# Altium PCB Femto_v1.PcbDoc
Units mm, origin at the board's own origin, x right, y up, seen from the top; angles counter-clockwise.
Board outline 12 x 12 mm, 4 copper layers (L1 [TOP], L2, L3, L4 [BOT]), stack 1.54 mm thick; 26 components, 50 nets, 158 pads, 38 vias.
Unrouted connection lines stored in the file: 26.
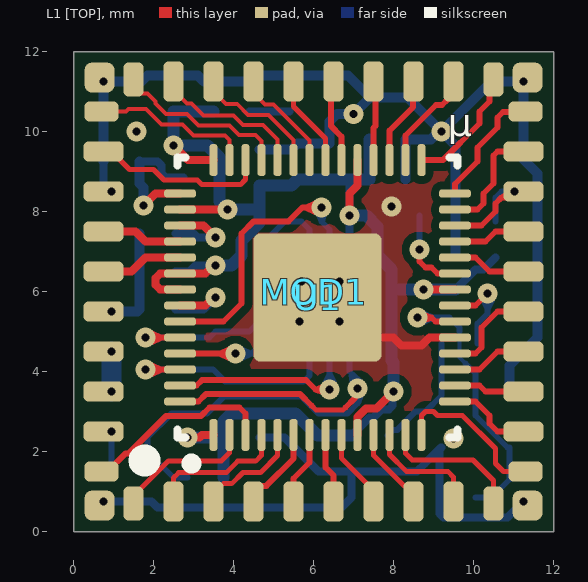
[diagram p0: L1 [TOP] view]
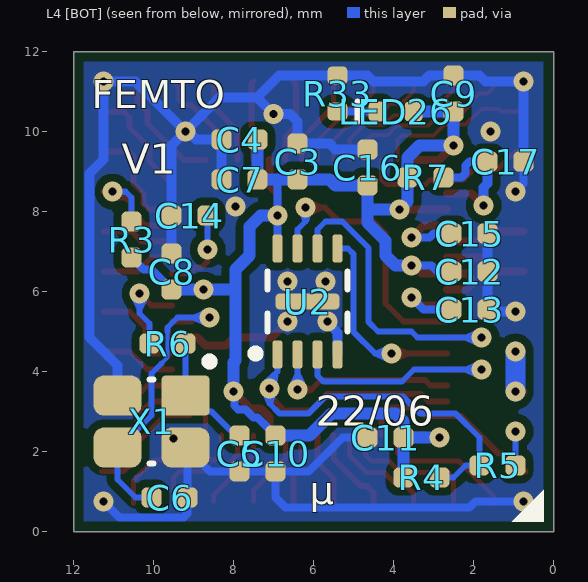
[diagram p1: L4 [BOT] view, seen from below]
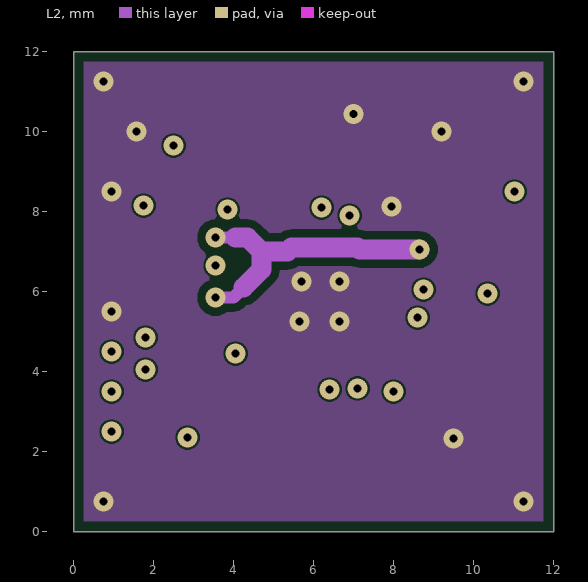
[diagram p2: L2]
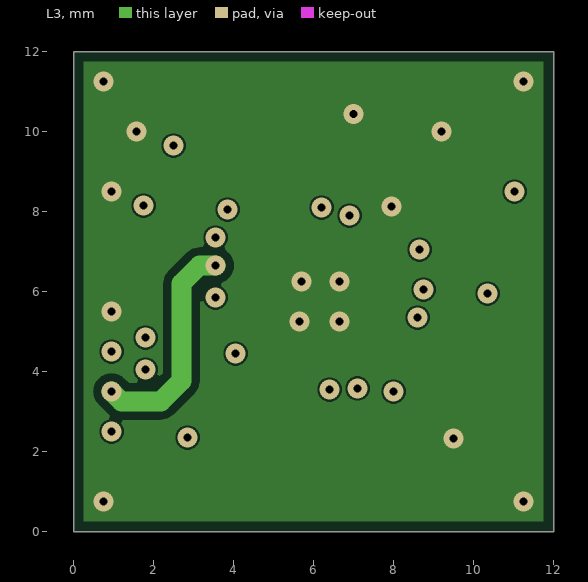
[diagram p3: L3]
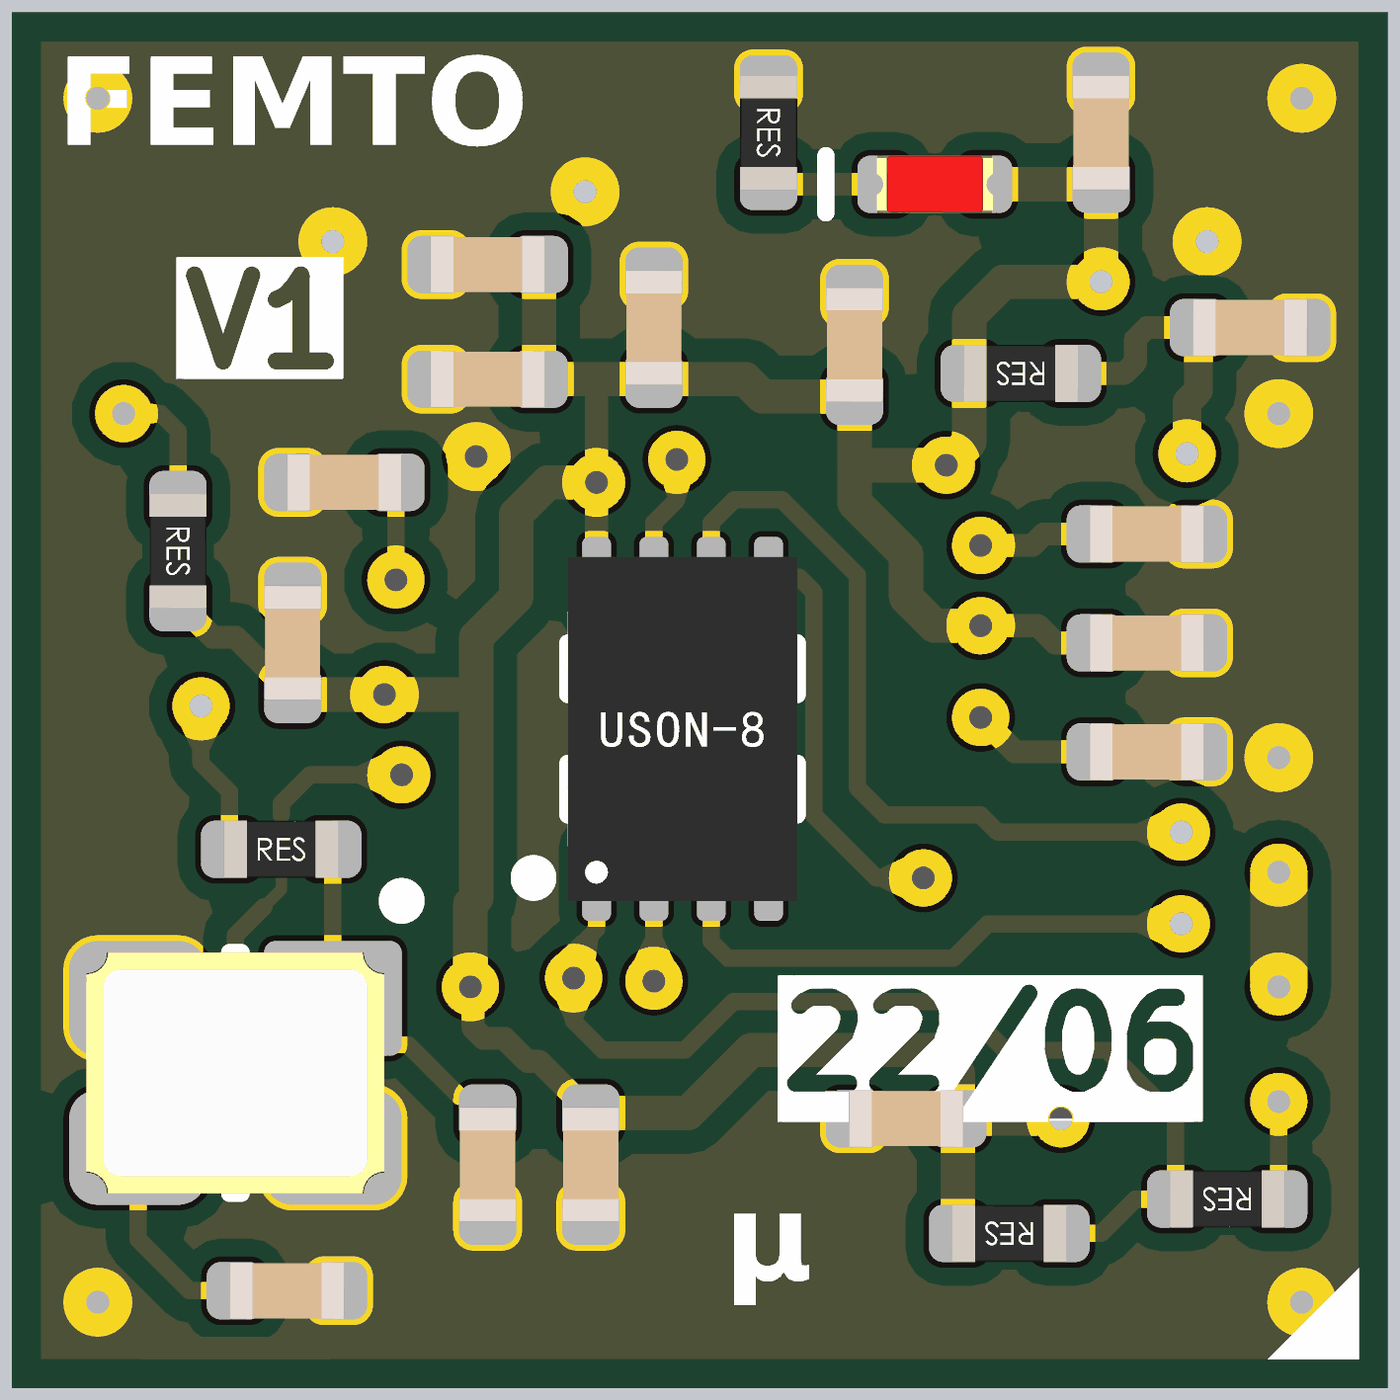
[diagram p4: 3D render of the assembled board from below, using the file's embedded part models]

## Layer stack, top to bottom
Soldermask [TOP]: solder mask 0.01, Solder Resist, Dk 3.5
L1 [TOP]: signal copper 0.035
Dielectric 1: prepreg 0.1, PP-006, Dk 4.1
L2: signal copper 0.035
Core: dielectric 1.2, FR-4, Dk 4.8
L3: signal copper 0.035
Dielectric 2: prepreg 0.1, PP-006, Dk 4.1
L4 [BOT]: signal copper 0.035
Soldermask [BOT]: solder mask 0.01, Solder Resist, Dk 3.5

## Board outline
0,0 12,0 12,12 0,12

## Design rules (kind name [scope] priority, off if disabled: settings)
BoardOutlineClearance BoardOutlineClearance_MB [InPadClass('MouseBits')] p1: gap=0.2 ignorepadtopadclearanceinfootprint=FALSE
BoardOutlineClearance [All] p2: gap=0.25 ignorepadtopadclearanceinfootprint=FALSE
Clearance Clearance_PCB1 [InComponent('PCB1')] p1: gap=0 ignorepadtopadclearanceinfootprint=FALSE
Clearance Clearance_USB1 [InDifferentialPair('USB_CON') vs InDifferentialPair('USB_CON')] p2: gap=0.12 ignorepadtopadclearanceinfootprint=FALSE
Clearance Clearance_USB2 [InDifferentialPair('USB_CON') vs InPoly] p3: gap=0.4 ignorepadtopadclearanceinfootprint=FALSE
Clearance [All] p4: gap=0.2 ignorepadtopadclearanceinfootprint=FALSE except(0.15: Arc-Arc Arc-Track Arc-SMDPad Arc-THPad Arc-Via Arc-Text Arc-Hole Track-Track Track-SMDPad Track-THPad Track-Via Track-Text Track-Hole SMDPad-SMDPad SMDPad-THPad SMDPad-Via SMDPad-Text SMDPad-Hole THPad-THPad THPad-Via THPad-Text THPad-Hole Via-Via Via-Text Via-Hole Text-Text Text-Hole)
DiffPairsRouting [InDifferentialPair('USB_CON')] p1: maxlimit=0.127 minlimit=0.125 mostfreqgap=0.127 toplayer_maxgap=0.125 toplayer_prefgap=0.125 toplayer_minwidth=0.4 toplayer_maxwidth=0.4 toplayer_prefwidth=0.4 midlayer1_mingap=0.127 midlayer1_minwidth=0.076 midlayer1_maxwidth=0.076 midlayer1_prefwidth=0.076 midlayer2_mingap=0.127 midlayer2_minwidth=0.076 midlayer2_maxwidth=0.076 midlayer2_prefwidth=0.076 bottomlayer_maxgap=0.125 bottomlayer_prefgap=0.125 bottomlayer_minwidth=0.4 bottomlayer_maxwidth=0.4 bottomlayer_prefwidth=0.4 impedanceprofiledriven=TRUE impedanceprofileid={9CEA075E-CCFF-448C-A5D9-C58085BB56C1} impedanceprofilevalue=90.000000 maxuncoupledlength=20
HoleSize [All] p1: absolutevalues=TRUE maxlimit=5 minlimit=0.2 maxpercent=80.000 minpercent=20.000
HoleToHoleClearance [All] p1: gap=0.4 allowstackedmicrovias=TRUE
MinimumAnnularRing [All] p1: minimumring=0.15
MinimumSolderMaskSliver MinimumSolderMaskSliver_U3 [InComponent('U3') vs InComponent('U3')] p1: minsoldermaskwidth=0.04
MinimumSolderMaskSliver MinimumSolderMaskSliver_U1 [InComponent('U1') vs InComponent('U1')] p2: minsoldermaskwidth=0.1
MinimumSolderMaskSliver [All] p3: minsoldermaskwidth=0.12
PlaneClearance [All] p1: clearance=0.5
PlaneConnect [All] p1: planeconnectstyle=Relief reliefexpansion=0.5 reliefentries=4 reliefconductorwidth=0.3 reliefairgap=0.3
PolygonConnect PolygonConnect_via [IsVia] p1: connectstyle=Direct reliefconductorwidth=0.254 reliefentries=4 polygonreliefangle="90 Angle" airgapwidth=0.254
PolygonConnect [All] p2: connectstyle=Relief reliefconductorwidth=0.25 reliefentries=4 polygonreliefangle="90 Angle" airgapwidth=0.3
RoutingVias [All] p1: holewidth=0.3 width=0.65 viastyle="Through Hole" minholewidth=0.2 minwidth=0.5 maxholewidth=0.4 maxwidth=0.8
SilkToSilkClearance [All] p1: silktosilkclearance=0.15
SilkToSolderMaskClearance [IsPad] p1: minsilkscreentomaskgap=0.12 clearancetoexposedcopper=TRUE
SolderMaskExpansion SolderMaskExpansion_via [IsVia] p1: expansion=-5 istentingtop=FALSE
SolderMaskExpansion [All] p2: expansion=0.05 istentingtop=FALSE
Width [All] p1: maxlimit=5 minlimit=0.1 preferedwidth=0.2
22 further rules are at their usual default settings.

## Classes and differential pairs
differential pair USB: +USB_P -USB_N

## Components (designator, comment, footprint, x,y, rotation, side; value= is the part's Value field where it differs from the comment)
C3 "100nF" CAP_0402_R 6.4,9.25 r270 bottom
C4 "2.2uF" CAP_0402_R 7.85,9.8 r180 bottom
C5 "15pF" CAP_0402_R 7.85,1.95 r90 bottom
C6 "15pF" CAP_0402_R 9.6,0.85 r0 bottom
C7 "100nF" CAP_0402_R 7.85,8.8 r180 bottom
C8 "100nF" CAP_0402_R 9.55,6.5 r270 bottom
C9 "100nF" CAP_0402_R 2.5,10.95 r270 bottom
C10 "100nF" CAP_0402_R 6.95,1.95 r90 bottom
C11 "100nF" CAP_0402_R 4.2,2.35 r180 bottom
C12 "100nF" CAP_0402_R 2.1,6.5 r0 bottom
C13 "100nF" CAP_0402_R 2.1,5.55 r0 bottom
C14 "100nF" CAP_0402_R 9.1,7.9 r180 bottom
C15 "2.2uF" CAP_0402_R 2.1,7.45 r0 bottom
C16 "2.2uF" CAP_0402_R 4.65,9.1 r270 bottom
C17 "2.2uF" CAP_0402_R 1.2,9.25 r0 bottom
LED26 "Red" LED_0402_R 3.95,10.5 r180 bottom
MOD1 "LGA40 Module (Reversed!)" PCB_LGA40_120X120_P100_REV 5.975,5.975 r0 top locked
R3 "10k" RES_0402_R#1 10.55,7.3 r270 bottom
R4 "10k" RES_0402_R#1 3.3,1.35 r0 bottom
R5 "1k" RES_0402_R#1 1.4,1.65 r0 bottom
R6 "1k" RES_0402_R#1 9.65,4.7 r180 bottom
R7 "100R" RES_0402_R#1 3.2,8.85 r0 bottom
R33 "2k" RES_0402_R#2 5.4,10.95 r270 bottom
U1 "RP2040" ICC_QFN56_700X700X90_P40_EP_RP2040 6.1,5.85 r0 top locked
U2 "W25Q16JV" ICC_USON8_200X300X55P50_EP 6.15,5.75 r180 bottom locked
X1 "12.000MHz" OSC_2520_4P_250X200H50_R 10.05,2.75 r0 bottom locked

## Footprints (in the part's own frame and the unit in brackets; to place one, negate y for a bottom-side part, rotate by r counter-clockwise, add the part's x,y. Pads: shape width x height; smd on the part's side, far side on the other; paste and mask are expansions set on the pad)
CAP_0402_R [mm]
  rrect50% 0.5x0.5 smd: 1(-0.45,0) 2(0.45,0)
  body extent -0.5,-0.25 0.5,0.25, height 0.5
ICC_QFN56_700X700X90_P40_EP_RP2040 [mm]
  rrect75% 0.2x0.8 smd: 1(-2.6,-3.435) 2(-2.2,-3.435) 3(-1.8,-3.435) 4(-1.4,-3.435) 5(-1,-3.435) 6(-0.6,-3.435) 7(-0.2,-3.435) 8(0.2,-3.435) 9(0.6,-3.435) 10(1,-3.435) 11(1.4,-3.435) 12(1.8,-3.435) 13(2.2,-3.435) 14(2.6,-3.435) 29(2.6,3.435) 30(2.2,3.435) 31(1.8,3.435) 32(1.4,3.435) 33(1,3.435) 34(0.6,3.435) 35(0.2,3.435) 36(-0.2,3.435) 37(-0.6,3.435) 38(-1,3.435) 39(-1.4,3.435) 40(-1.8,3.435) 41(-2.2,3.435) 42(-2.6,3.435)
  rrect75% 0.8x0.2 smd: 15(3.435,-2.6) 16(3.435,-2.2) 17(3.435,-1.8) 18(3.435,-1.4) 19(3.435,-1) 20(3.435,-0.6) 21(3.435,-0.2) 22(3.435,0.2) 23(3.435,0.6) 24(3.435,1) 25(3.435,1.4) 26(3.435,1.8) 27(3.435,2.2) 28(3.435,2.6) 43(-3.435,2.6) 44(-3.435,2.2) 45(-3.435,1.8) 46(-3.435,1.4) 47(-3.435,1) 48(-3.435,0.6) 49(-3.435,0.2) 50(-3.435,-0.2) 51(-3.435,-0.6) 52(-3.435,-1) 53(-3.435,-1.4) 54(-3.435,-1.8) 55(-3.435,-2.2) 56(-3.435,-2.6)
  rrect10% 3.2x3.2 smd paste-5: EP(0,0)
  silkscreen extent -3.5,-4.27 3.5,3.5, body extent -3.52,-3.52 3.52,3.52, height 0.9
ICC_USON8_200X300X55P50_EP [mm]
  rrect50% 0.25x0.7 smd: 1(-0.75,-1.325) 2(-0.25,-1.325) 3(0.25,-1.325) 4(0.75,-1.325) 5(0.75,1.325) 6(0.25,1.325) 7(-0.25,1.325) 8(-0.75,1.325)
  rrect50% 1.6x0.4 smd: EP(0,0)
  silkscreen extent -1.4,-1.4 1,0.75, body extent -1,-1.5 1,1.5, height 0.56
LED_0402_R [mm]
  rrect50% 0.45x0.5 smd: 1(-0.45,0) 2(0.45,0)
  silkscreen extent -0.95,-0.25 -0.95,0.25, body extent -0.5,-0.25 0.51,0.25, height 0.45
OSC_2520_4P_250X200H50_R [mm]
  rrect20% 1.2x1 smd: 1(-0.85,-0.65)
  rrect50% 1.2x1 smd: 2(0.85,-0.65) 3(0.85,0.65) 4(-0.85,0.65)
  silkscreen extent -1.55,-1.6 0.05,1.05, body extent -1.3,-1.05 1.3,1.05, height 0.55
PCB_LGA40_120X120_P100_REV [mm]
  rrect50% 0.75x0.75 smd: 1(-5.325,-5.325) 12(-5.325,5.375) 23(5.375,5.375) 34(5.375,-5.325)
  rrect50% 0.85x0.5 smd: 2(-5.275,-4.475) 11(-5.275,4.525) 24(5.325,4.525) 33(5.325,-4.475)
  rrect50% 1x0.5 smd: 3(-5.225,-3.475) 4(-5.225,-2.475) 5(-5.225,-1.475) 6(-5.225,-0.475) 7(-5.225,0.525) 8(-5.225,1.525) 9(-5.225,2.525) 10(-5.225,3.525) 25(5.275,3.525) 26(5.275,2.525) 27(5.275,1.525) 28(5.275,0.525) 29(5.275,-0.475) 30(5.275,-1.475) 31(5.275,-2.475) 32(5.275,-3.475)
  rrect50% 0.5x0.85 smd: 13(-4.475,5.325) 22(4.525,5.325) 35(4.525,-5.275) 44(-4.475,-5.275)
  rrect50% 0.5x1 smd: 14(-3.475,5.275) 15(-2.475,5.275) 16(-1.475,5.275) 17(-0.475,5.275) 18(0.525,5.275) 19(1.525,5.275) 20(2.525,5.275) 21(3.525,5.275) 36(3.525,-5.225) 37(2.525,-5.225) 38(1.525,-5.225) 39(0.525,-5.225) 40(-0.475,-5.225) 41(-1.475,-5.225) 42(-2.475,-5.225) 43(-3.475,-5.225)
  silkscreen extent -4.4,-4.4 -4,-4
RES_0402_R#1 [mm]
  rrect50% 0.5x0.5 smd: 1(-0.45,0) 2(0.45,0)
  body extent -0.5,-0.25 0.5,0.25, height 0.3
RES_0402_R#2 [mm]
  rrect50% 0.45x0.5 smd: 1(-0.45,0) 2(0.45,0)
  body extent -0.5,-0.25 0.5,0.25, height 0.3

## Part data
C3 C7 C8 C9 C10 C11 C12 C13 C14: library part CAP-0026, "Capacitor; MLCC; GENERIC; TBD; TBD; TBD; TBD; SMD; 0402 (1005);", Dielectric=X7R, Manufacturer="Samsung Electro-Mechanics", MPN=CL05B104KA5NNNC, Operating Temperature=TBD, Package (Case)="0402 (1005)", Supplier Part Number 1=C155422, Voltage Rating=25V, Capacitance=100nF, Component Body="1.00 x 0.50mm", Component Height=TBD, Component Subtype=MLCC, Component Type=Capacitor, Features=TBD, ID=CAP-0026, Mounting Type=SMD, Packaging Type=TBD, ROHS Status=TBD, Supplier 1=LCSC, Supplier 2=Farnell, Supplier 3=Mouser, Supplier Part Number 2=2496772, Supplier Part Number 3=187-CL05B104KA5NNNC, Tolerance=TBD
C4 C15 C16 C17: library part CAP-0026, "Capacitor; MLCC; GENERIC; TBD; TBD; TBD; TBD; SMD; 0402 (1005);", Dielectric=X5R, Manufacturer="Samsung Electro-Mechanics", MPN=CL05A225MQ5NNNC, Operating Temperature=TBD, Package (Case)="0402 (1005)", Supplier Part Number 1=C107371, Voltage Rating=6.3V, Capacitance=2.2uF, Component Body="1.00 x 0.50mm", Component Height=TBD, Component Subtype=MLCC, Component Type=Capacitor, Features=TBD, ID=CAP-0026, Mounting Type=SMD, Packaging Type=TBD, ROHS Status=TBD, Supplier 1=LCSC, Supplier 2=Farnell, Supplier 3=Mouser, Supplier Part Number 2=3013335, Supplier Part Number 3=187-CL05A225MQ5NNNC, Tolerance=TBD
C5 C6: library part CAP-0026, "Capacitor; MLCC; GENERIC; TBD; TBD; TBD; TBD; SMD; 0402 (1005);", Dielectric=C0G/NP0, Manufacturer="KEMET Corporation", MPN=C0402C150J5GACTU, Operating Temperature=TBD, Package (Case)="0402 (1005)", Supplier Part Number 1=C106997, Voltage Rating=50V, Capacitance=15pF, Component Body="1.00 x 0.50mm", Component Height=TBD, Component Subtype=MLCC, Component Type=Capacitor, Features=TBD, ID=CAP-0026, Mounting Type=SMD, Packaging Type=TBD, ROHS Status=TBD, Supplier 1=LCSC, Supplier 2=Farnell, Supplier 3=Mouser, Supplier Part Number 2=1414577, Supplier Part Number 3=80-C0402C150J5G, Tolerance=TBD
LED26: library part DIO_LED_RED, "Diode; LED; Red;", Package (Case)="0402 (1005)", Supplier Part Number 1=C965790, Component Subtype="LED Diode", Component Type=LED, Mounting Type=SMD, Supplier 1=LCSC, Supplier 2=Farnell, Supplier 3=Mouser, Supplier Part Number 2=2900754, Supplier Part Number 3=710-150040RS73240
MOD1: library part PCB_LGA40_P100, "PCB Module; LGA40; Pitch 1mm;"
R3 R4: library part RES-0004, "Resistor; Thick Film; 10k; 1%; 62.5mW; 100PPM; 50V; Standard; SMD; 0402 (1005);", Manufacturer="Yageo Corporation", MPN=RC0402FR-0710KL, Operating Temperature="-55°C to +155°C", Package (Case)="0402 (1005)", Power Rating=62.5mW, Supplier Part Number 1=C60490, Tolerance=1%, Voltage Rating=50V, Component Body="1.00 x 0.50mm", Component Height=0.35mm, Component Subtype="Thick Film", Component Type=Resistor, Features=Standard, ID=RES-0004, Mounting Type=SMD, Packaging Type="Tape & Reel", Resistance=10k, ROHS Status="RoHS Compliant", Supplier 1=LCSC, Supplier 2=Farnell, Supplier 3=Mouser, Supplier Part Number 2=9239359, Supplier Part Number 3=603-RC0402FR-0710KL, TCR=100PPM
R5 R6: library part RES-0003, "Resistor; Thick Film; 1k; 1%; 62.5mW; 100PPM; 50V; Standard; SMD; 0402 (1005);", Manufacturer="Yageo Corporation", MPN=RC0402FR-071KL, Operating Temperature="-55°C to +155°C", Package (Case)="0402 (1005)", Power Rating=62.5mW, Supplier Part Number 1=C106235, Tolerance=1%, Voltage Rating=50V, Component Body="1.00 x 0.50mm", Component Height=0.35mm, Component Subtype="Thick Film", Component Type=Resistor, Features=Standard, ID=RES-0003, Mounting Type=SMD, Packaging Type="Tape & Reel", Resistance=1k, ROHS Status="RoHS Compliant", Supplier 1=LCSC, Supplier 2=Farnell, Supplier 3=Mouser, Supplier Part Number 2=9239235, Supplier Part Number 3=603-RC0402FR-071KL, TCR=100PPM
R7: library part RES-0002, "Resistor; Thick Film; 100R; 1%; 62.5mW; 100PPM; 50V; Standard; SMD; 0402 (1005);", Manufacturer="Yageo Corporation", MPN=RC0402FR-07100RL, Operating Temperature="-55°C to +155°C", Package (Case)="0402 (1005)", Power Rating=62.5mW, Supplier Part Number 1=C106232, Tolerance=1%, Voltage Rating=50V, Component Body="1.00 x 0.50mm", Component Height=0.35mm, Component Subtype="Thick Film", Component Type=Resistor, Features=Standard, ID=RES-0002, Mounting Type=SMD, Packaging Type="Tape & Reel", Resistance=100R, ROHS Status="RoHS Compliant", Supplier 1=LCSC, Supplier 2=Farnell, Supplier 3=Mouser, Supplier Part Number 2=2421888, Supplier Part Number 3=603-RC0402FR-07100RL, TCR=100PPM
R33: library part RES-0058, "Resistor; Thick Film; GENERIC; TBD; TBD; TBD; TBD; TBD; SMD; 0402 (1005);", Manufacturer="Yageo Corporation", MPN=RC0402FR-072KP, Operating Temperature=TBD, Package (Case)="0402 (1005)", Power Rating=62.5mW, Supplier Part Number 1=C60488, Tolerance=1%, Voltage Rating=50V, Component Body="1.00 x 0.50mm", Component Height=TBD, Component Subtype="Thick Film", Component Type=Resistor, Features=TBD, ID=RES-0058, Mounting Type=SMD, Packaging Type=TBD, Resistance=2k, ROHS Status=TBD, Supplier 1=LCSC, Supplier 2=Farnell, Supplier 3=Mouser, Supplier Part Number 2=1458757, Supplier Part Number 3=603-RC0402FR-072KL, TCR=TBD
U1: library part ICC_RPI_RP2040_QFN56, "IC; MCU;", Manufacturer="Raspberry Pi", Package (Case)=QFN-56, Supplier Part Number 1=C2040, Component Subtype=MCU, Component Type=IC, Mounting Type=SMD, MPN=RP2040, Supplier 1=LCSC, Supplier 2=Farnell, Supplier 3=Mouser, Supplier Part Number 2=3766082, Supplier Part Number 3=358-RP2040CHIP-7-500
U2: library part ICC_WBD_W25Q64_SOIC_WSON_USON, "ICC", Manufacturer="Winbond Electronics", MPN=W25Q16JVUXIQ, Operating Temperature="-40°C to +85°C", Package="USON-8 (2x3)", Supplier Part Number 1=C2843335, Component Type=IC, Mounting Type=SMD, Specification="Serial Flash memory, 16Mbit, standard-, dual-, Quad- SPI interface, 133MHz, USON 2x3mm package", Supplier 1=LCSC, Supplier 2=Farnell, Supplier 3=Mouser, Supplier Part Number 3=454-W25Q16JVUXIQTR
X1: library part OSC_XTL_P4, "Oscillator; Crystal;", Manufacturer=ECS, MPN=ECS-120-12-36-AGN-TR3, Package (Case)="SMD 2520", Supplier Part Number 1=C2149205, Component Subtype=Crystal, Component Type=Crystal, Mounting Type=SMD, Supplier 1=LCSC, Supplier 2=Farnell, Supplier 3=Mouser, Supplier Part Number 2=2849406, Supplier Part Number 3=520-120-12-36AGN-TR3

## Via types
v1: diameter 0.5, hole 0.2, L1 [TOP] to L4 [BOT], 38 vias

## Nets (pads, with @x,y where several pads share a name; then routed paths per layer and width w, separated by ;. In a path a pad name is that pad's centre, name@x,y a point inside that pad or via, vN(x,y) a via of type N, cw(c..) or ccw(c..) an arc to the next point about the centre after c; other vN are vias at no path point)
BOOTSEL: MOD1.3 R5.1 | length 0.9
  L4 [BOT] w0.15: R5.1 v1(0.95,2.5)
GND: C3.1 C4.1 C5.1 C6.1 C7.1 C8.1 C9.1 C10.1 C11.1 C12.1 C13.1 C14.1 C15.1 C16.1 C17.1 MOD1.1 MOD1.6 MOD1.9 MOD1.12 MOD1.23 MOD1.34 R33.1 U1.19 U1.EP U2.4 U2.EP X1.2 X1.4 | length 54.6
  L1 [TOP] w0.2: v1(6.65,5.25) 7.05,4.85 7.996,4.85 8.196,4.65 8.7,4.65 8.9,4.85 U1.19
  L4 [BOT] w0.2: v1(0.75,0.75) 1.95,0.75 2.1,0.6 6.7,0.6 6.95,0.85 C10.1 ; C17.1 0.75,8.7 v1(0.95,8.5) ; C11.1 5.272,2.35 6.122,1.5 C10.1 ; v1(11.25,0.75) 10.85,0.35 9.25,0.35 9.15,0.45 C6.1 9.15,2.05 X1.4 9.181,2.1 8.793,1.711 8.793,1.705 8.588,1.5 C5.1 C10.1
  L4 [BOT] w0.25: C17.1 v1(0.75,11.25) 1.7,11.25 1.85,11.4 3.106,11.4 3.256,11.25 4.5,11.25 4.65,11.4 R33.1 6.865,11.4 7.415,10.85 ; v1(0.95,5.5) 1.6,5.5 C13.1 C15.1 ; C16.1 5.45,9.55 5.6,9.7 C3.1 6.4,10.25 6.585,10.435 v1(7,10.435) 7.415,10.85 ; U2.4 5.4,4.979 5.65,5.229 v1(5.65,5.25) ; C7.1 C4.1 8.932,9.8 9.132,10 v1(9.2,10) ; C8.1 C14.1 9.55,9.65 v1(9.2,10) ; X1.2 10.9,4.15 11.6,4.85 11.6,8.95 11.25,9.3 v1(11.25,11.25) 10.45,11.25 v1(9.2,10) ; 7.415,10.85 8.35,10.85 v1(9.2,10)
  other v1: 9.5,2.325 5.7,6.25 6.65,6.25 7.95,8.125 1.575,10
GPIO0: MOD1.44 U1.2 | length 3.5
  L1 [TOP] w0.125: MOD1.44 1.5,0.891 2.376,1.767 3.698,1.767 3.9,1.969 U1.2
GPIO1: MOD1.2 U1.3 | length 4.9
  L1 [TOP] w0.15: MOD1.2 0.848,1.5 1.302,1.954 1.378,1.954 2.318,2.894 3.193,2.894 3.399,3.1 4.15,3.1 4.3,2.95 U1.3
GPIO2: MOD1.43 U1.4 | length 3.5
  L1 [TOP] w0.125: MOD1.43 2.5,1.344 2.629,1.472 3.819,1.472 4.104,1.757 4.552,1.757 4.7,1.905 U1.4
GPIO3: MOD1.42 U1.5 | length 2.7
  L1 [TOP] w0.125: MOD1.42 3.5,0.95 3.746,1.196 3.955,1.196 4.236,1.477 4.677,1.477 5.1,1.9 U1.5
GPIO4: MOD1.41 U1.6 | length 2.2
  L1 [TOP] w0.15: MOD1.41 4.5,0.973 4.671,1.144 4.821,1.144 5.5,1.823 U1.6
GPIO5: MOD1.40 U1.7 | length 1.8
  L1 [TOP] w0.15: MOD1.40 5.5,1.326 5.9,1.726 U1.7
GPIO6: MOD1.39 U1.8 | length 1.7
  L1 [TOP] w0.15: U1.8 6.3,1.604 6.5,1.404 MOD1.39
GPIO7: MOD1.38 U1.9 | length 2
  L1 [TOP] w0.125: U1.9 6.7,1.833 7.5,1.033 MOD1.38
GPIO8: MOD1.37 U1.11 | length 2.1
  L1 [TOP] w0.125: U1.11 7.5,1.906 8.5,0.906 MOD1.37
GPIO9: MOD1.36 U1.12 | length 2.9
  L1 [TOP] w0.125: U1.12 7.9,1.923 8.32,1.503 9.356,1.503 9.5,1.359 MOD1.36
GPIO10: MOD1.35 U1.13 | length 3.5
  L1 [TOP] w0.125: U1.13 8.3,1.957 8.467,1.79 9.985,1.79 10.5,1.275 MOD1.35
GPIO11: MOD1.33 U1.14 | length 4
  L1 [TOP] w0.125: U1.14 8.7,2.9 8.8,3 9,3 9.097,2.903 9.722,2.903 10.55,2.075 10.55,1.701 10.751,1.5 MOD1.33
GPIO12: MOD1.32 U1.15 | length 2.1
  L1 [TOP] w0.15: U1.15 10.05,3.25 10.4,2.9 10.4,2.7 10.6,2.5 MOD1.32
GPIO13: MOD1.31 U1.16 | length 1.8
  L1 [TOP] w0.15: U1.16 10.15,3.65 10.3,3.5 MOD1.31
GPIO14: MOD1.30 U1.17 | length 1.9
  L1 [TOP] w0.15: U1.17 10.15,4.05 10.6,4.5 MOD1.30
GPIO15: MOD1.29 U1.18 | length 2.4
  L1 [TOP] w0.15: U1.18 10.05,4.45 10.2,4.6 10.2,5.1 10.6,5.5 MOD1.29
GPIO16: MOD1.25 U1.27 | length 2.9
  L1 [TOP] w0.15: U1.27 10.1,8.05 10.25,8.2 10.25,8.45 10.5,8.7 10.5,9.4 10.6,9.5 MOD1.25
GPIO17: MOD1.24 U1.28 | length 3.1
  L1 [TOP] w0.15: U1.28 9.537,8.452 9.537,8.687 10.1,9.25 10.1,9.6 10.6,10.1 10.6,10.35 10.738,10.488 11.288,10.488 MOD1.24
GPIO18: MOD1.22 U1.29 | length 3.1
  L1 [TOP] w0.15: U1.29 9.235,9.285 10.15,10.2 10.15,10.5 10.4,10.75 10.4,11.2 MOD1.22
GPIO19: MOD1.21 U1.30 | length 2.5
  L1 [TOP] w0.15: U1.30 8.3,9.9 9.062,10.662 9.212,10.662 9.356,10.806 9.356,11.106 MOD1.21
GPIO20: MOD1.20 U1.31 | length 2.2
  L1 [TOP] w0.15: U1.31 7.9,10.02 8.493,10.613 8.493,11.243 MOD1.20
GPIO21: MOD1.19 U1.32 | length 2
  L1 [TOP] w0.15: U1.32 7.5,10.091 7.547,10.138 7.547,11.203 MOD1.19
GPIO22: MOD1.18 U1.34 | length 2.1
  L1 [TOP] w0.15: MOD1.18 6.434,11.184 6.434,10.14 6.7,9.873 U1.34
GPIO23: MOD1.17 U1.35 | length 2.3
  L1 [TOP] w0.125: MOD1.17 5.5,10.624 6.3,9.824 U1.35
GPIO24: MOD1.16 U1.36 | length 2.7
  L1 [TOP] w0.1: MOD1.16 4.5,10.97 4.792,10.678 4.998,10.678 5.9,9.776 U1.36
GPIO25: MOD1.15 U1.37 | length 3.3
  L1 [TOP] w0.1: MOD1.15 3.5,10.994 3.809,10.685 4.093,10.685 4.364,10.414 4.873,10.414 5.5,9.788 U1.37
GPIO26_ADC0: MOD1.14 U1.38 | length 3.8
  L1 [TOP] w0.1: MOD1.14 2.5,11.041 2.836,10.705 2.945,10.705 3.248,10.402 3.998,10.402 4.236,10.164 4.738,10.164 5.1,9.803 U1.38
GPIO27_ADC1: MOD1.13 U1.39 | length 4.5
  L1 [TOP] w0.1: MOD1.13 1.5,11.102 1.652,10.95 1.85,10.95 2.05,10.75 2.05,10.697 2.311,10.436 2.839,10.436 3.122,10.152 3.894,10.152 4.134,9.913 4.555,9.913 4.7,9.767 U1.39
GPIO28_ADC2: MOD1.10 U1.40 | length 4.4
  L1 [TOP] w0.125: MOD1.10 0.95,9.5 1.4,9.05 2,9.05 2.262,8.788 3.096,8.788 3.211,8.672 4.172,8.672 4.3,8.8 U1.40
GPIO29_ADC3: MOD1.11 U1.41 | length 4.1
  L1 [TOP] w0.1: MOD1.11 1.313,10.5 1.376,10.563 1.806,10.563 2.197,10.173 2.726,10.173 2.999,9.899 3.79,9.899 3.9,9.789 U1.41
MCU_RUN: MOD1.26 R3.1 U1.26 | length 3.3
  L1 [TOP] w0.15: U1.26 10.2,7.65 10.55,8 10.55,8.2 10.706,8.356 11.106,8.356 MOD1.26
  L4 [BOT] w0.15: R3.1 10.55,8.35 10.7,8.5 v1(11.025,8.5)
MCU_SWCLK: MOD1.28 U1.24 | length 1.9
  L1 [TOP] w0.15: U1.24 10.05,6.85 10.4,6.5 MOD1.28
MCU_SWDIO: MOD1.27 U1.25 | length 1.8
  L1 [TOP] w0.15: U1.25 10.3,7.25 10.55,7.5 MOD1.27
MCU_XIN: C6.2 U1.20 X1.3 | length 7.5
  L1 [TOP] w0.15: v1(8.6,5.35) 8.95,5.35 9.05,5.25 U1.20
  L4 [BOT] w0.1: 9.65,5 9.65,4.35 9.8,4.2
  L4 [BOT] w0.15: v1(8.6,5.35) 9.4,5.35 9.65,5.1 9.65,5 ; 9.8,4.2 10.05,3.95 10.05,2.9 10.85,2.1 X1.3 10.9,1.3 10.45,0.85 C6.2
MCU_XOUT: R6.1 U1.21 | length 2.3
  L1 [TOP] w0.15: U1.21 10.05,5.65 v1(10.35,5.95)
  L4 [BOT] w0.15: R6.1 10.1,5.2 10.35,5.45 v1(10.35,5.95)
NetC5_2: C5.2 R6.2 X1.1 | length 3.1
  L4 [BOT] w0.15: C5.2 7.994,2.544 8.094,2.544 8.545,2.995 8.795,2.995 X1.1 R6.2
NetLED26_1: LED26.1 R33.2 | length 1
  L4 [BOT] w0.2: LED26.1 R33.2
PP1100: C13.2 C14.2 C15.2 U1.23 U1.45 U1.50 | length 13.5
  L1 [TOP] w0.15: v1(8.65,7.05) 8.65,6.75 8.8,6.6 8.95,6.6 9.1,6.45 U1.23
  L1 [TOP] w0.2: U1.50 3.294,5.65 3.494,5.85 v1(3.55,5.85) ; U1.45 3.25,7.65 v1(3.55,7.35)
  L2 w0.3: v1(3.55,5.85) 4,5.85 4.25,6.1 ; v1(3.55,7.35) 4.05,7.35
  L2 w0.5: 4.05,7.35 4.35,7.35 4.7,7 ; 4.25,6.1 4.7,6.55 4.7,7 ; v1(8.65,7.05) 7.15,7.05 7.1,7.1 5.45,7.1 5.35,7 4.7,7
  L4 [BOT] w0.15: v1(8.65,7.05) C14.2
  L4 [BOT] w0.2: C13.2 3.25,5.55 v1(3.55,5.85) ; C15.2 3,7.45 3.1,7.35 v1(3.55,7.35)
PP3300: C3.2 C4.2 C7.2 C8.2 C9.2 C10.2 C11.2 C12.2 C16.2 LED26.2 MOD1.4 MOD1.5 R3.2 R4.2 R7.2 U1.1 U1.10 U1.22 U1.33 U1.42 U1.44 U1.48 U1.49 U2.8 | length 46.2
  L1 [TOP] w0.2: MOD1.4 v1(0.95,3.5) ; v1(2.5,9.65) 2.865,9.285 U1.42 ; U1.49 2.167,6.05 2.05,6.167 2.05,6.333 2.167,6.45 U1.48 3.294,6.45 3.494,6.65 v1(3.55,6.65) ; U1.44 v1(3.85,8.05) ; v1(2.85,2.35) 3.15,2.35 3.215,2.415 U1.1 ; v1(6.9,7.9) 6.9,8.45 7.1,8.65 U1.33 ; U1.10 7.1,2.863 7.314,3.077 7.577,3.077 v1(8,3.5) ; v1(8.75,6.05) U1.22
  L3 w0.5: v1(0.95,3.5) 1.2,3.25 2.184,3.25 2.7,3.766 2.7,6.2 3.15,6.65 v1(3.55,6.65)
  L4 [BOT] w0.2: C12.2 2.9,6.5 3.05,6.65 v1(3.55,6.65) ; U2.8 v1(6.9,7.9) 6.9,8.8 ; C10.2 7.4,2.85 7.5,2.85 7.7,3.05 7.883,3.05 7.978,3.145 7.978,3.478 v1(8,3.5) ; C8.2 10.05,6.55 10.25,6.55 R3.2
  L4 [BOT] w0.3: v1(2.85,2.35) C11.2 ; LED26.2 C9.2 v1(2.5,9.65) 3.35,9.65 3.65,9.35 R7.2 3.65,8.25 v1(3.85,8.05) 4.65,8.05 ; v1(3.55,6.65) 3.95,6.65 4.2,6.9 4.2,7.271 4.65,7.721 4.65,8.05 ; R4.2 C11.2 ; v1(6.9,7.9) 7.323,7.9 7.6,7.623 7.6,6.9 7.95,6.55 7.95,6.05 ; C10.2 6.1,2.4 5.55,2.95 3.95,2.95 3.75,2.75 C11.2 ; C4.2 C7.2 6.9,8.8 C3.2 5.6,8.8 5.45,8.65 C16.2 4.65,8.05 ; v1(8,3.5) 8,4.225 7.95,4.275 7.95,6.05 ; C8.2 v1(8.75,6.05) 7.95,6.05
  L4 [BOT] w0.5: v1(0.95,3.5) v1(0.95,4.5)
PP3300_AVDD: C17.2 R7.1 U1.43 | length 3.6
  L1 [TOP] w0.2: v1(1.75,8.15) 2.05,8.45 U1.43
  L4 [BOT] w0.2: C17.2 2.1,9.25 2.2,9.15 2.2,8.95 2.3,8.85 R7.1
  L4 [BOT] w0.25: C17.2 1.65,8.7 1.75,8.6 v1(1.75,8.15)
QSPI_SCLK: U1.52 U2.6 | length 7.8
  L1 [TOP] w0.15: v1(1.8,4.85) U1.52
  L4 [BOT] w0.15: v1(1.8,4.85) 3.4,4.85 3.55,5 4.389,5 4.624,5.235 4.624,7.089 5.285,7.75 5.7,7.75 5.9,7.55 U2.6
QSPI_SD0: U1.53 U2.5 | length 5
  L1 [TOP] w0.15: U1.53 v1(4.05,4.45)
  L4 [BOT] w0.15: v1(4.05,4.45) 4.458,4.45 5.005,4.997 5.005,6.943 5.138,7.075 U2.5
QSPI_SD1: U1.55 U2.2 | length 4.8
  L1 [TOP] w0.15: U1.55 3.076,3.65 3.214,3.788 5.812,3.788 6.05,3.55 v1(6.4,3.55)
  L4 [BOT] w0.15: v1(6.4,3.55) U2.2
QSPI_SD2: U1.54 U2.3 | length 5.7
  L1 [TOP] w0.15: v1(1.8,4.05) U1.54
  L4 [BOT] w0.15: v1(1.8,4.05) 3.489,4.05 3.789,3.75 5.752,3.75 5.9,3.897 U2.3
QSPI_SD3: U1.51 U2.7 | length 6.8
  L1 [TOP] w0.15: U1.51 3.75,5.25 4.2,5.7 4.2,7.45 4.505,7.755 5.373,7.755 5.719,8.1 v1(6.2,8.1)
  L4 [BOT] w0.15: v1(6.2,8.1) 6.2,7.75 6.4,7.55 U2.7
QSPI_SS: R4.1 R5.2 U1.56 U2.1 | length 14.1
  L1 [TOP] w0.125: 5.95,3.15 6.059,3.041 6.741,3.041 6.8,3.1
  L1 [TOP] w0.15: U1.56 3.125,3.25 3.31,3.435 5.665,3.435 5.95,3.15 ; 6.8,3.1 7.033,3.333 7.033,3.51 v1(7.1,3.577)
  L4 [BOT] w0.15: R4.1 2.5,1.35 2.2,1.65 R5.2 1.85,2.35 2.448,2.948 3.334,2.948 3.758,3.371 5.707,3.371 6.129,2.949 6.849,2.949 7.1,3.2 7.1,3.8 6.9,4 U2.1
USB_N: MOD1.8 U1.46 | length 2
  L1 [TOP] w0.2: MOD1.8 1.55,7.5 1.8,7.25 U1.46
USB_P: MOD1.7 U1.47 | length 2.1
  L1 [TOP] w0.2: MOD1.7 1.45,6.5 1.8,6.85 U1.47

## Polygon pours and split planes (outlines as drawn)
GND on L2 "L1_GND" (solid, remove dead copper, pour order 4): 0,0 12,0 12,12 0,12
GND on L3 "L1_GND" (solid, remove dead copper, pour order 5): 0,0 12,0 12,12 0,12
GND on L4 [BOT] "L1_GND" (solid, remove dead copper, pour order 3): 0,0 12,0 12,12 0,12
GND on L1 [TOP] "L1_GND" (solid, remove dead copper, pour order 2): 0,0 12,0 12,12 0,12

## Silkscreen, mask and mechanical layers (free items; w line width, h text height)
Silkscreen [TOP]:
  text "μ" at 9.35,9.65 h1.2
Silkscreen [BOT]:
  text "FEMTO" at 11.55,10.35 h1.2
  text "V1" at 10.8,8.95 h0.75
  text "22/06" at 5.95,2.65 h0.75
  text "μ" at 6.1,0.45 h1.2
M01 BoardOutline:
  the board outline again, w0.1

## Dimensions
12,0 to 12,12 on M10 Dimensions
0,0 to 12,0 on M10 Dimensions